# KiCad board Mozzarella.kicad_pcb
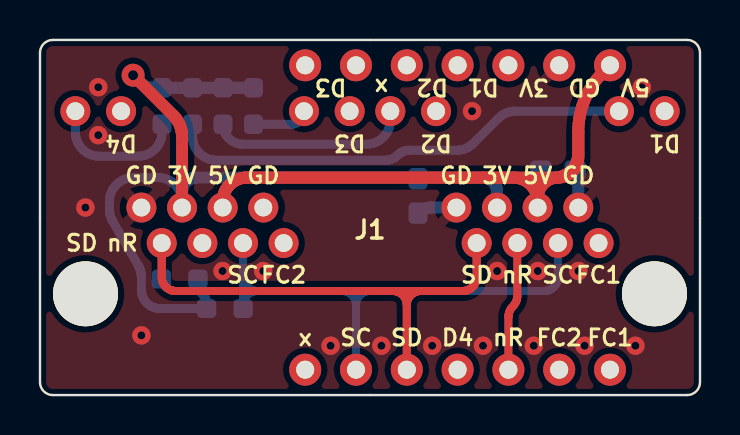
[diagram p0: board, top side]
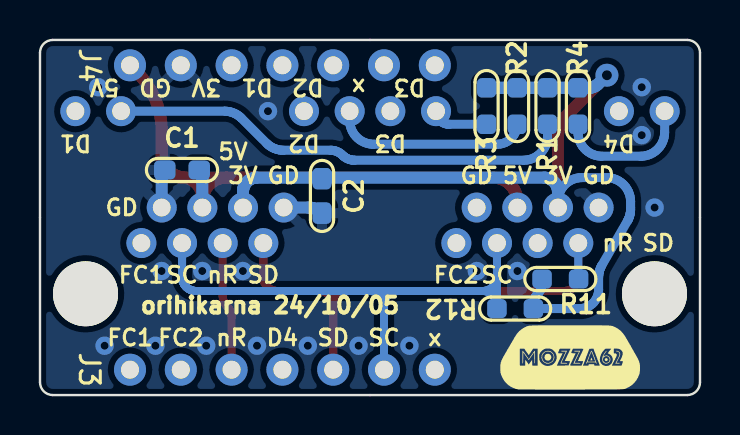
[diagram p1: board, bottom side, seen from below]

Outline 33 x 17.78 mm; copper layers: Top, In1.Cu, In2.Cu, Bottom. Coordinates in mm from the lower left corner of the outline.
Outline path: 0,17.14 arc(0.19,17.59) 0.64,17.78 32.36,17.78 arc(32.81,17.59) 33,17.14 33,0.64 arc(32.81,0.19) 32.36,0 0.64,0 arc(0.19,0.19) 0,0.64 0,17.14
Stack: Top 0.035mm / dielectric 0.48mm FR4 er 4.5 / In1.Cu 0.035mm / dielectric 0.48mm FR4 er 4.5 / In2.Cu 0.035mm / dielectric 0.48mm FR4 er 4.5 / Bottom 0.035mm

## Placement (name value [footprint] x y rotation side)
C1  0.1u  [C_1608_HandSolder]  25.9 11.27 0 bottom
C2  0.1u  [C_1608_HandSolder]  18.9 9.97 270 bottom
G1  LOGO  [mozza62_logo2]  6.5 1.89 180 bottom
J1  RJ45_LED_Shielded_x2  [RJ45_Amphenol_RJHSE508X-02]  16.5 5.07 0 top
J3  Conn_01x07  [PinHeader_1x07_P2.54mm_Vertical]  28.5 1.27 90 bottom
J4  Conn_01x07  [PinHeader_1x07_P2.54mm_Vertical]  28.5 16.51 90 bottom
R1  1k  [R_1608_HandSolder]  7.62 14.47 270 bottom
R2  1k  [R_1608_HandSolder]  9.15 14.47 270 bottom
R3  1k  [R_1608_HandSolder]  10.67 14.47 270 bottom
R4  1k  [R_1608_HandSolder]  6.1 14.47 270 bottom
R11  2.2k  [R_1608_HandSolder]  6.98 5.81 0 bottom
R12  2.2k  [R_1608_HandSolder]  9.24 4.33 180 bottom

## Footprints (pads in the part's own frame, mm; a bottom-side part is the same pattern mirrored in y, then rotated)
C_1608_HandSolder
  rrect 1.075x0.95 smd: 1(-0.863,0) 2(0.863,0)
PinHeader_1x07_P2.54mm_Vertical
  round 1.6 hole 0.9: 1(0,0) 2(0,-2.54) 3(0,-5.08) 4(0,-7.62) 5(0,-10.16) 6(0,-12.7) 7(0,-15.24)
R_1608_HandSolder
  rrect 0.975x0.95 smd: 1(-0.912,0) 2(0.912,0)
RJ45_Amphenol_RJHSE508X-02
  round 3.25 hole 3.25 unplated: (-14.224,0) (14.224,0)
  round 1.5 hole 0.89: 1(11.43,2.54) 2(10.414,4.318) 3(9.398,2.54) 4(8.382,4.318) 5(7.366,2.54) 6(6.35,4.318) 7(5.334,2.54) 8(4.318,4.318) 9(14.732,9.144) 10(12.446,9.144) 11(3.302,9.144) 12(1.016,9.144) 13(-4.318,2.54) 14(-5.334,4.318) 15(-6.35,2.54) 16(-7.366,4.318) 17(-8.382,2.54) 18(-9.398,4.318) 19(-10.414,2.54) 20(-11.43,4.318) 21(-1.016,9.144) 22(-3.302,9.144) 23(-12.446,9.144) 24(-14.732,9.144)

## Nets
3V3: C2.1 J1.6 J1.18 J4.3 R1.1 R2.1 R3.1 R4.1 R11.2 R12.2
5VD: C1.1 J1.4 J1.16 J4.1
GND: C1.2 C2.2 J1.2 J1.8 J1.14 J1.20 J4.2
LED1: J1.9 J4.4
LED2: J1.11 J4.5
LED3: J1.21 J4.7
LED4: J1.23 J3.4
NRST: J1.5 J1.17 J3.3
RGB1: J1.1 J3.1
RGB2: J1.13 J3.2
SCK: J1.3 J1.15 J3.6 R12.1
SDA: J1.7 J1.19 J3.5 R11.1
Net-(J1-Pad10): J1.10 R1.2
Net-(J1-Pad12): J1.12 R2.2
Net-(J1-Pad22): J1.22 R3.2
Net-(J1-Pad24): J1.24 R4.2

Pads without a net: J3 7; J4 6

## Via types
v1: diameter 0.92, hole 0.4, Top to Bottom, 18 vias
v2: diameter 1.15, hole 0.5, Top to Bottom, 1 via

## Routing (per net, layer and track width the routed paths; a pad name or vN(x,y) marks a point on that pad's centre or on a via; arc(x,y) is an arc through that point)
3V3: length 59.3
  Top w0.6: J1.18 7.1,12.95 7.1,13.02 7.09,13.1 7.08,13.18 7.07,13.26 7.05,13.33 7.03,13.41 7,13.48 6.97,13.56 6.94,13.63 6.9,13.7 6.86,13.76 6.82,13.83 6.77,13.89 6.72,13.95 6.66,14 v2(4.65,16.01)
  In2.Cu w0.6: J1.6 22.85,11.89 22.85,11.96 22.86,12.03 22.86,12.11 22.87,12.18 22.88,12.25 22.9,12.33 22.91,12.4 22.93,12.47 22.95,12.54 22.98,12.61 23,12.68 23.03,12.75 23.06,12.82 23.1,12.88 23.17,13.01 23.2,13.08 23.24,13.15 23.27,13.22 23.29,13.28 23.32,13.36 23.34,13.43 23.36,13.5 23.37,13.57 23.39,13.64 23.4,13.72 23.41,13.79 23.42,13.86 23.42,13.94 23.42,14.01 J4.3
  Bottom w0.45: J1.18 7.1,9.69 7.09,9.81 7.08,9.94 7.04,10.06 7,10.18 6.94,10.29 6.87,10.39 6.79,10.49 6.7,10.58 6.61,10.66 6.5,10.73 6.39,10.78 6.27,10.83 6.15,10.86 6.03,10.88 5.9,10.89 4.67,10.89 4.55,10.88 4.42,10.86 4.3,10.83 4.18,10.78 4.07,10.73 3.97,10.66 3.87,10.58 3.78,10.49 3.7,10.39 3.63,10.29 3.57,10.18 3.53,10.06 3.5,9.94 3.48,9.81 3.47,9.69 3.47,9.31 3.47,9.27 3.47,9.23 3.48,9.18 3.48,9.14 3.49,9.1 3.5,9.06 3.52,8.98 3.54,8.9 3.56,8.86 3.57,8.82 3.59,8.78 3.61,8.75 3.63,8.71 4.91,6.5 4.93,6.46 4.95,6.42 4.98,6.34 5,6.31 5.02,6.23 5.04,6.14 5.05,6.1 5.06,6.06 5.06,6.02 5.07,5.98 5.07,5.94 5.07,5.89 5.07,5.27 5.08,5.17 5.09,5.08 5.12,4.98 5.15,4.89 5.2,4.8 5.25,4.72 5.31,4.64 5.38,4.57 5.46,4.51 5.54,4.46 5.63,4.41 5.72,4.38 5.82,4.35 5.92,4.33 6.01,4.33 8.33,4.33 8.33,4.55 8.33,4.58 8.33,4.62 8.32,4.66 8.31,4.7 8.31,4.74 8.29,4.77 8.28,4.81 8.27,4.85 8.25,4.88 8.23,4.92 8.21,4.95 8.19,4.98 8.17,5.01 8.14,5.04 8.09,5.1 8.06,5.13 8.04,5.16 8.02,5.19 8,5.22 7.98,5.26 7.96,5.29 7.94,5.33 7.93,5.37 7.92,5.4 7.91,5.44 7.91,5.48 7.9,5.52 7.9,5.56 7.89,5.59 R11.2
  Bottom w0.6: J1.18 7.1,10.19 7.11,10.26 7.12,10.33 7.14,10.4 7.16,10.47 7.2,10.54 7.24,10.6 7.28,10.66 7.33,10.71 7.39,10.75 7.45,10.79 7.52,10.83 7.59,10.85 7.66,10.87 7.73,10.88 7.8,10.89 22.15,10.89 22.22,10.88 22.3,10.87 22.37,10.85 22.44,10.83 22.5,10.79 22.56,10.75 22.62,10.71 22.67,10.66 22.72,10.6 22.76,10.54 22.79,10.47 22.82,10.4 22.83,10.33 22.85,10.26 22.85,10.19 J1.6 ; v2(4.65,16.01) 5.08,15.59 5.11,15.56 5.14,15.54 5.16,15.52 5.19,15.5 5.22,15.48 5.26,15.46 5.29,15.44 5.33,15.43 5.36,15.42 5.39,15.41 5.43,15.4 5.47,15.39 5.5,15.39 5.54,15.38 R4.1 ; R4.1 R3.1 R4.1
5VD: length 48.9
  Top w0.6: 9.13,9.69 J1.16 9.13,9.69 ; 9.13,9.69 9.14,9.81 ; 9.13,9.69 9.14,9.81 ; 9.24,10.18 9.3,10.29 ; 9.24,10.18 9.19,10.06 ; 9.24,10.18 9.3,10.29 ; 9.24,10.18 9.19,10.06 ; 9.3,10.29 9.36,10.39 ; 9.3,10.29 9.36,10.39 ; 9.19,10.06 9.16,9.94 ; 9.19,10.06 9.16,9.94 ; 26.91,13.19 26.92,13.41 26.94,13.63 26.97,13.84 27.01,14.06 27.06,14.27 27.12,14.48 27.19,14.69 27.28,14.89 27.37,15.09 27.47,15.28 27.59,15.47 27.71,15.65 27.85,15.83 27.99,15.99 28.14,16.15 J4.1 ; 26.91,13.19 26.91,12.09 26.91,11.96 26.89,11.84 26.86,11.72 26.81,11.6 26.75,11.49 26.69,11.38 26.61,11.28 26.52,11.2 26.42,11.12 26.31,11.05 26.2,10.99 26.08,10.95 25.96,10.91 25.84,10.89 25.71,10.89 10.33,10.89 ; 26.91,13.19 26.91,11.9 26.91,11.8 26.89,11.69 26.86,11.59 26.83,11.49 26.78,11.4 26.72,11.31 26.65,11.22 26.58,11.15 26.5,11.08 26.41,11.02 26.31,10.98 26.21,10.94 26.11,10.91 26,10.89 25.79,10.88 25.69,10.87 25.58,10.84 25.48,10.8 25.39,10.75 25.3,10.69 25.22,10.63 25.14,10.55 25.08,10.47 25.02,10.38 24.97,10.28 24.93,10.19 24.9,10.08 24.89,9.98 24.88,9.87 J1.4 24.88,9.69 24.88,9.81 24.86,9.94 24.82,10.06 24.78,10.18 24.72,10.29 24.65,10.39 24.57,10.49 24.48,10.58 24.39,10.66 24.28,10.73 24.17,10.78 24.05,10.83 23.93,10.86 23.81,10.88 23.68,10.89 10.33,10.89 ; 9.14,9.81 9.16,9.94 ; 9.14,9.81 9.16,9.94 ; 9.44,10.49 9.53,10.58 ; 9.44,10.49 9.36,10.39 ; 9.44,10.49 9.53,10.58 ; 9.44,10.49 9.36,10.39 ; 9.53,10.58 9.63,10.66 ; 9.53,10.58 9.63,10.66 ; 9.63,10.66 9.73,10.73 ; 9.63,10.66 9.73,10.73 ; 9.73,10.73 9.85,10.78 ; 9.73,10.73 9.85,10.78 ; 10.33,10.89 10.21,10.88 ; 10.33,10.89 10.21,10.88 ; 10.08,10.86 10.21,10.88 ; 10.08,10.86 9.96,10.83 ; 10.08,10.86 9.96,10.83 ; 10.08,10.86 10.21,10.88 ; 9.96,10.83 9.85,10.78 ; 9.96,10.83 9.85,10.78
  Bottom w0.6: 25.04,11.27 25.02,11.25 25,11.23 24.98,11.21 24.97,11.18 24.95,11.16 24.94,11.14 24.93,11.11 24.92,11.08 24.91,11.06 24.9,11.03 24.89,11 24.89,10.98 24.89,10.95 24.88,10.92 24.88,10.89 J1.4
GND: length 3.9
  Bottom w0.6: J1.2 26.91,10.9 26.91,10.93 26.91,10.96 26.91,10.98 26.9,11.01 26.89,11.06 26.88,11.09 26.87,11.11 26.86,11.14 26.84,11.16 26.83,11.19 26.8,11.23 26.76,11.27 ; J1.8 19.58,9.39 19.53,9.39 19.48,9.38 19.43,9.38 19.38,9.37 19.33,9.36 19.28,9.34 19.23,9.32 19.19,9.31 19.14,9.28 19.1,9.26 19.06,9.23 19.01,9.2 18.97,9.17 18.94,9.14 C2.2
  vias: v1(2.27,9.39) v1(2.91,15.41) v1(2.91,13.01) v1(5.07,2.99) v1(9.13,6.21) v1(11.16,6.21) v1(14.53,2.47) v1(17.07,2.47) v1(19.61,2.47) v1(21.6,14.21) v1(22.15,2.47) v1(22.86,6.21) v1(24.69,2.47) v1(24.89,6.21) v1(26.92,6.21) v1(27.23,2.47) v1(29.77,2.47) v1(30.09,15.41)
LED1: length 12.3
  In1.Cu w0.45: J1.9 30.17,13.15 30.12,13.11 30.08,13.07 30.03,13.03 29.97,12.99 29.92,12.96 29.87,12.93 29.81,12.9 29.75,12.88 29.69,12.86 29.63,12.84 29.57,12.83 29.51,12.81 29.45,12.81 29.38,12.8 29.32,12.8 28.61,12.8 28.55,12.8 28.49,12.81 28.43,12.81 28.36,12.83 28.3,12.84 28.24,12.86 28.19,12.88 28.13,12.9 28.07,12.93 28.02,12.96 27.96,12.99 27.91,13.03 27.86,13.07 27.81,13.11 27.77,13.15 27.06,13.86 27.01,13.91 26.96,13.95 26.91,13.98 26.86,14.02 26.81,14.05 26.75,14.08 26.69,14.11 26.64,14.13 26.58,14.16 26.52,14.17 26.46,14.19 26.39,14.2 26.33,14.21 26.27,14.21 26.21,14.21 23.67,14.21 23.61,14.22 23.55,14.22 23.48,14.23 23.42,14.24 23.36,14.25 23.3,14.27 23.24,14.29 23.19,14.32 23.13,14.34 23.07,14.38 23.02,14.41 22.97,14.44 22.92,14.48 22.87,14.52 22.83,14.56 J4.4
LED2: length 2.8
  In1.Cu w0.45: J1.11 19.8,14.32 19.79,14.42 19.78,14.53 19.76,14.63 19.73,14.73 19.7,14.84 19.67,14.94 19.63,15.03 19.58,15.13 19.53,15.22 19.48,15.31 19.42,15.4 19.35,15.48 19.28,15.56 19.21,15.64 J4.5
LED3: length 3.2
  In1.Cu w0.45: 15.48,14.22 15.48,14.24 15.48,14.26 15.47,14.28 15.47,14.29 15.46,14.31 15.44,14.32 15.43,14.34 J4.7
LED4: length 27.5
  In1.Cu w0.45: J1.23 4.05,12.89 4.05,12.81 4.05,12.74 4.04,12.66 4.03,12.59 4.02,12.51 4.01,12.44 3.99,12.36 3.97,12.29 3.95,12.22 3.92,12.14 3.89,12.07 3.87,12 3.83,11.94 3.8,11.87 3.72,11.73 3.69,11.67 3.66,11.6 3.63,11.53 3.6,11.46 3.58,11.39 3.55,11.31 3.53,11.24 3.52,11.16 3.5,11.09 3.49,11.02 3.48,10.94 3.47,10.86 3.47,10.79 3.47,10.71 3.47,9.31 3.47,9.27 3.47,9.23 3.48,9.18 3.48,9.14 3.49,9.1 3.5,9.06 3.52,8.98 3.54,8.9 3.56,8.86 3.57,8.82 3.59,8.78 3.61,8.75 3.63,8.71 6.31,4.07 6.35,4 6.4,3.93 6.46,3.87 6.52,3.81 6.58,3.75 6.64,3.7 6.71,3.65 6.78,3.61 6.86,3.57 6.94,3.54 7.02,3.52 7.1,3.5 7.18,3.48 7.27,3.47 7.35,3.47 19.68,3.47 19.81,3.46 19.93,3.44 20.05,3.41 20.17,3.37 20.28,3.31 20.39,3.24 20.48,3.16 20.57,3.07 20.65,2.97 20.72,2.87 20.78,2.76 20.82,2.64 20.85,2.52 20.87,2.39 20.88,2.27 J3.4
NRST: length 27.1
  Top w0.4: J3.3 23.42,3.9 23.42,3.94 23.42,3.98 23.43,4.02 23.44,4.06 23.45,4.1 23.46,4.14 23.47,4.17 23.49,4.21 23.5,4.25 23.52,4.28 23.54,4.32 23.56,4.35 23.59,4.38 23.62,4.41 23.67,4.47 23.7,4.5 23.72,4.53 23.74,4.56 23.76,4.6 23.78,4.63 23.8,4.67 23.81,4.71 23.83,4.74 23.84,4.78 23.85,4.82 23.86,4.86 23.86,4.9 23.86,4.94 23.87,4.98 J1.5
  In2.Cu w0.4: J3.3 23.42,2.27 23.41,2.39 23.39,2.52 23.36,2.64 23.32,2.76 23.26,2.87 23.19,2.97 23.11,3.07 23.02,3.16 22.92,3.24 22.82,3.31 22.71,3.37 22.59,3.41 22.47,3.44 22.34,3.46 22.22,3.47 9.32,3.47 9.19,3.48 9.07,3.5 8.95,3.53 8.83,3.57 8.72,3.63 8.61,3.7 8.52,3.78 8.43,3.87 8.35,3.97 8.28,4.07 8.22,4.18 8.18,4.3 8.14,4.42 8.12,4.55 8.12,4.67 J1.17
RGB1: length 6.5
  In1.Cu w0.4: J1.1 27.93,4.24 27.93,4.19 27.94,4.14 27.94,4.09 27.95,4.04 27.96,3.99 27.98,3.94 28,3.89 28.01,3.85 28.04,3.8 28.06,3.76 28.09,3.71 28.12,3.67 28.15,3.63 28.18,3.59 28.25,3.52 28.28,3.48 28.31,3.44 28.34,3.4 28.37,3.35 28.39,3.31 28.42,3.26 28.44,3.22 28.45,3.17 28.47,3.12 28.48,3.07 28.49,3.02 28.5,2.97 28.5,2.92 28.5,2.87 J3.1
RGB2: length 17.7
  In1.Cu w0.4: J3.2 25.96,3.27 25.95,3.39 25.93,3.52 25.9,3.64 25.86,3.76 25.8,3.87 25.73,3.97 25.65,4.07 25.56,4.16 25.47,4.24 25.36,4.31 25.25,4.37 25.13,4.41 25.01,4.44 24.89,4.46 24.76,4.47 21.42,4.47 21.36,4.47 21.29,4.48 21.23,4.48 21.17,4.5 21.11,4.51 21.05,4.53 20.99,4.55 20.93,4.57 20.87,4.6 20.82,4.63 20.77,4.66 20.71,4.7 20.66,4.74 20.62,4.78 20.57,4.82 18.13,7.26 18.09,7.3 18.04,7.34 17.99,7.38 17.94,7.42 17.89,7.45 17.83,7.48 17.77,7.51 17.72,7.53 17.66,7.55 17.6,7.57 17.53,7.58 17.47,7.59 17.41,7.6 17.35,7.61 17.28,7.61 J1.13
SCK: length 68.9
  Bottom w0.4: 25.67,5.39 25.61,5.34 ; 25.67,5.39 25.61,5.34 ; 25.67,5.39 25.72,5.44 ; 25.67,5.39 25.72,5.44 ; 25.67,5.39 25.61,5.34 ; 25.67,5.39 25.72,5.44 ; 25.61,5.34 25.55,5.3 ; 25.61,5.34 25.55,5.3 ; 25.61,5.34 25.55,5.3 ; 10.5,5.3 10.44,5.34 ; 10.5,5.3 10.56,5.27 ; 10.5,5.3 10.56,5.27 ; 10.5,5.3 10.44,5.34 ; 10.44,5.34 10.38,5.39 ; 10.44,5.34 10.38,5.39 ; 10.21,5.62 10.24,5.56 ; 10.21,5.62 10.18,5.69 ; 10.21,5.62 10.24,5.56 ; 10.21,5.62 10.18,5.69 ; 10.24,5.56 10.28,5.5 ; 10.24,5.56 10.28,5.5 ; J1.3 25.9,5.91 ; J1.3 25.9,5.91 ; J1.3 25.9,5.91 ; 25.9,5.91 25.89,5.84 ; 25.9,5.91 25.89,5.84 ; 25.9,5.91 25.89,5.84 ; 25.76,5.5 25.72,5.44 ; 25.76,5.5 25.72,5.44 ; 25.76,5.5 25.72,5.44 ; 25.76,5.5 25.8,5.56 ; 25.76,5.5 25.8,5.56 ; 25.76,5.5 25.8,5.56 ; 25.55,5.3 25.48,5.27 ; 25.55,5.3 25.48,5.27 ; 25.55,5.3 25.48,5.27 ; 10.18,5.69 10.17,5.76 ; 10.18,5.69 10.17,5.76 ; 10.56,5.27 10.63,5.24 ; 10.56,5.27 10.63,5.24 ; 10.38,5.39 10.33,5.44 ; 10.38,5.39 10.33,5.44 ; 10.33,5.44 10.28,5.5 ; 10.33,5.44 10.28,5.5 ; 25.27,5.21 25.2,5.21 ; 25.27,5.21 25.2,5.21 ; 25.27,5.21 25.2,5.21 ; 25.27,5.21 25.34,5.22 ; 25.27,5.21 25.34,5.22 ; 25.27,5.21 25.34,5.22 ; 25.2,5.21 10.85,5.21 ; 25.2,5.21 10.86,5.21 10.78,5.21 10.71,5.2 10.64,5.18 10.57,5.15 10.51,5.12 10.44,5.08 10.39,5.03 10.33,4.98 10.29,4.92 10.25,4.86 10.22,4.8 10.19,4.73 10.17,4.66 10.16,4.58 10.16,4.51 R12.1 J1.15 ; 25.2,5.21 16.5,5.21 16.43,5.21 16.35,5.2 16.28,5.18 16.22,5.15 16.15,5.12 16.09,5.08 16.03,5.03 15.98,4.98 15.93,4.92 15.89,4.86 15.86,4.8 15.83,4.73 15.81,4.66 15.8,4.58 15.8,4.51 ; 25.88,5.76 25.86,5.69 ; 25.88,5.76 25.89,5.84 ; 25.88,5.76 25.86,5.69 ; 25.88,5.76 25.89,5.84 ; 25.88,5.76 25.89,5.84 ; 25.88,5.76 25.86,5.69 ; 25.86,5.69 25.84,5.62 ; 25.86,5.69 25.84,5.62 ; 25.86,5.69 25.84,5.62 ; 10.78,5.21 10.85,5.21 ; 10.78,5.21 10.7,5.22 ; 10.78,5.21 10.85,5.21 ; 10.78,5.21 10.7,5.22 ; 10.85,5.21 15.1,5.21 15.17,5.21 15.25,5.2 15.32,5.18 15.39,5.15 15.45,5.12 15.51,5.08 15.57,5.03 15.62,4.98 15.67,4.92 15.71,4.86 15.74,4.8 15.77,4.73 15.78,4.66 15.8,4.58 15.8,4.51 ; 25.84,5.62 25.8,5.56 ; 25.84,5.62 25.8,5.56 ; 25.84,5.62 25.8,5.56 ; 10.7,5.22 10.63,5.24 ; 10.7,5.22 10.63,5.24 ; 15.8,4.51 J3.6 15.8,4.51 ; 10.17,5.76 10.15,5.84 ; 10.17,5.76 10.15,5.84 ; 10.15,5.84 10.15,5.91 ; 10.15,5.84 10.15,5.91 ; 25.48,5.27 25.41,5.24 ; 25.48,5.27 25.41,5.24 ; 25.48,5.27 25.41,5.24 ; 25.41,5.24 25.34,5.22 ; 25.41,5.24 25.34,5.22 ; 25.41,5.24 25.34,5.22 ; 10.15,5.91 J1.15 ; 10.15,5.91 J1.15
SDA: length 49
  Top w0.4: 21.74,5.56 21.7,5.5 ; 21.74,5.56 21.77,5.62 ; 21.74,5.56 21.7,5.5 ; 21.74,5.56 21.77,5.62 ; 21.7,5.5 21.65,5.44 ; 21.7,5.5 21.65,5.44 ; 21.55,5.34 21.48,5.3 ; 21.55,5.34 21.6,5.39 ; 21.55,5.34 21.48,5.3 ; 21.55,5.34 21.6,5.39 ; 21.48,5.3 21.42,5.27 ; 21.48,5.3 21.42,5.27 ; 21.83,5.91 21.83,5.84 ; 21.83,5.91 J1.7 21.83,5.91 ; 21.83,5.91 21.83,5.84 ; 21.83,5.84 21.82,5.76 ; 21.83,5.84 21.82,5.76 ; 6.15,5.62 6.18,5.56 ; 6.15,5.62 6.12,5.69 ; 6.15,5.62 6.18,5.56 ; 6.15,5.62 6.12,5.69 ; 6.18,5.56 6.22,5.5 ; 6.18,5.56 6.22,5.5 ; 6.57,5.24 6.5,5.27 ; 6.57,5.24 6.5,5.27 ; 6.57,5.24 6.64,5.22 ; 6.57,5.24 6.64,5.22 ; 6.5,5.27 6.44,5.3 ; 6.5,5.27 6.44,5.3 ; 6.32,5.39 6.27,5.44 ; 6.32,5.39 6.38,5.34 ; 6.32,5.39 6.27,5.44 ; 6.32,5.39 6.38,5.34 ; 6.27,5.44 6.22,5.5 ; 6.27,5.44 6.22,5.5 ; 18.34,4.51 J3.5 18.34,4.51 ; 18.34,4.51 18.34,4.58 18.33,4.66 18.31,4.73 18.28,4.8 18.25,4.86 18.21,4.92 18.16,4.98 18.11,5.03 18.05,5.08 17.99,5.12 17.92,5.15 17.86,5.18 17.79,5.2 17.71,5.21 17.64,5.21 6.79,5.21 ; 18.34,4.51 18.34,4.58 18.36,4.66 18.37,4.73 18.4,4.8 18.43,4.86 18.47,4.92 18.52,4.98 18.57,5.03 18.63,5.08 18.69,5.12 18.75,5.15 18.82,5.18 18.89,5.2 18.97,5.21 19.04,5.21 21.13,5.21 ; 6.12,5.69 6.1,5.76 ; 6.12,5.69 6.1,5.76 ; 6.09,5.91 J1.19 6.09,5.91 ; 6.09,5.91 6.09,5.84 ; 6.09,5.91 6.09,5.84 ; 21.82,5.76 21.8,5.69 ; 21.82,5.76 21.8,5.69 ; 21.21,5.21 21.13,5.21 ; 21.21,5.21 21.28,5.22 ; 21.21,5.21 21.28,5.22 ; 21.21,5.21 21.13,5.21 ; 21.13,5.21 6.79,5.21 ; 6.09,5.84 6.1,5.76 ; 6.09,5.84 6.1,5.76 ; 21.28,5.22 21.35,5.24 ; 21.28,5.22 21.35,5.24 ; 21.8,5.69 21.77,5.62 ; 21.8,5.69 21.77,5.62 ; 21.42,5.27 21.35,5.24 ; 21.42,5.27 21.35,5.24 ; 6.38,5.34 6.44,5.3 ; 6.38,5.34 6.44,5.3 ; 21.6,5.39 21.65,5.44 ; 21.6,5.39 21.65,5.44 ; 6.79,5.21 6.71,5.21 ; 6.79,5.21 6.71,5.21 ; 6.64,5.22 6.71,5.21 ; 6.64,5.22 6.71,5.21
  Bottom w0.4: J1.19 6.09,5.83 6.08,5.81 6.07,5.81
Net-(J1-Pad10): length 23.4
  Bottom w0.45: R1.2 7.62,12.96 7.63,12.83 7.65,12.71 7.68,12.59 7.73,12.47 7.78,12.36 7.85,12.25 7.93,12.16 8.02,12.07 8.12,11.99 8.22,11.92 8.34,11.86 8.45,11.82 8.58,11.78 8.7,11.76 8.82,11.76 17.27,11.76 17.31,11.76 17.36,11.76 17.4,11.77 17.45,11.78 17.49,11.79 17.53,11.8 17.58,11.81 17.62,11.83 17.66,11.85 17.7,11.87 17.73,11.89 17.77,11.92 17.81,11.95 17.84,11.98 17.87,12.01 17.91,12.04 17.94,12.07 17.98,12.09 18.01,12.12 18.05,12.14 18.09,12.16 18.13,12.18 18.17,12.2 18.21,12.22 18.26,12.23 18.3,12.24 18.34,12.25 18.39,12.25 18.43,12.26 18.48,12.26 20.83,12.26 20.89,12.26 20.95,12.26 21.02,12.27 21.08,12.28 21.14,12.3 21.2,12.32 21.26,12.34 21.31,12.36 21.37,12.39 21.43,12.42 21.48,12.45 21.53,12.49 21.58,12.53 21.63,12.57 21.67,12.61 22.93,13.86 22.97,13.91 23.02,13.95 23.07,13.98 23.12,14.02 23.18,14.05 23.23,14.08 23.29,14.11 23.35,14.13 23.41,14.16 23.47,14.17 23.53,14.19 23.59,14.2 23.65,14.21 23.72,14.21 23.78,14.21 J1.10
Net-(J1-Pad12): length 10.1
  Bottom w0.45: J1.12 17.52,13.76 17.51,13.63 17.49,13.51 17.46,13.39 17.41,13.27 17.36,13.16 17.29,13.05 17.21,12.95 17.12,12.87 17.02,12.79 16.92,12.72 16.8,12.66 16.69,12.62 16.56,12.58 16.44,12.56 16.32,12.56 10.15,12.56 10.04,12.56 9.94,12.58 9.84,12.61 9.74,12.64 9.65,12.69 9.56,12.75 9.48,12.81 9.41,12.89 9.34,12.97 9.28,13.06 9.23,13.15 9.2,13.25 9.17,13.35 9.15,13.45 R2.2
Net-(J1-Pad22): length 2.9
  Bottom w0.45: R3.2 12.54,13.56 12.61,13.56 12.68,13.57 12.74,13.59 12.81,13.61 12.87,13.64 12.93,13.68 12.98,13.73 13.03,13.78 13.07,13.83 13.11,13.89 13.14,13.95 13.17,14.01 13.18,14.08 13.19,14.14 J1.22
Net-(J1-Pad24): length 7.2
  Bottom w0.45: R4.2 6.1,13.16 6.09,13.03 6.07,12.91 6.04,12.79 6,12.67 5.94,12.56 5.87,12.45 5.79,12.36 5.7,12.27 5.61,12.19 5.5,12.12 5.39,12.06 5.27,12.02 5.15,11.98 5.03,11.96 4.9,11.96 2.97,11.96 2.84,11.96 2.72,11.98 2.6,12.02 2.48,12.06 2.37,12.12 2.26,12.19 2.17,12.27 2.08,12.36 2,12.45 1.93,12.56 1.87,12.67 1.83,12.79 1.79,12.91 1.78,13.03 1.77,13.16 J1.24

## Copper pours and planes (outline as drawn; the poured copper is in the pictures)
GND on Top: -1.65,18.67 34.65,18.67 34.65,-0.89 -1.65,-0.89
GND on Bottom: -1.65,18.67 34.65,18.67 34.65,-0.89 -1.65,-0.89
GND on In1.Cu: -1.65,18.67 34.65,18.67 34.65,-0.89 -1.65,-0.89
GND on In2.Cu: -1.65,18.67 34.65,18.67 34.65,-0.89 -1.65,-0.89

## Text on the board
B.Silkscreen: D4 | D3 | D2 | D1 | SD | nR | GD | 3V | 5V | SC | FC2 | x | FC1 | orihikarna 24/10/05
F.Silkscreen: D4 | D3 | D2 | D1 | SD | nR | GD | 3V | 5V | SC | FC2 | x | FC1
